# Allegro board 038RT-9068CJK8E-A100_0921_1.brd (continued)
## Routing (per net, layer and track width the routed paths; a pad name or vN(x,y) marks a point on that pad's centre or on a via; arc(x,y) is an arc through that point) (continued)
SLOT2.UB1: length 1503.4
  L24_RLY w0.203: UNK3K56.8 647.16,355.36 648.19,354.33 648.19,291.59 655.3,284.48 655.3,274.92 657.34,272.88 657.34,235.79 655.27,233.72 655.27,223.46 657.34,221.39 657.34,206.05 648.19,196.9 648.19,181.73 639.96,173.49 639.96,154.91 UNK1K56.8 ; SLOT2-DOWN.B2 256.78,93.6 256.78,88.14 244.97,76.33 138.29,76.33 99.55,115.06 99.55,140.59 96.12,144.02 68.41,144.02 64.56,147.86 64.56,152.85 63.4,154.01 K56.8 62.89,153.51 61.49,152.11 61.49,145.99 59.97,144.47 51.38,144.47 49.67,146.18 49.67,168.18 62.08,180.58 62.08,260.72 61.01,261.79 61.01,317.28 65.93,322.2 65.93,375.51 64.87,376.57 UNK2K56.8
  L46_SIGNAL w0.203: UNK3K56.8 644.64,358.25 644.64,369.57 637.02,377.19 637.02,405.32 571.55,470.79 133.02,470.79 124.13,461.9 55.55,461.9 53.58,459.93 53.58,419.42 49.26,415.1 49.26,395.35 52.43,392.18 58.91,392.18 61.32,389.76 61.32,378.13 UNK2K56.8
SLOT2.UB2: length 1532.5
  L24_RLY w0.203: UNK1K54.8 634.7,171.16 646.16,182.63 646.16,199.92 654.29,208.05 654.29,221.67 653.69,222.26 653.69,234.95 654.29,235.54 654.29,273.06 653.27,274.07 653.27,282.7 646.16,289.81 646.16,351.54 644.38,353.31 630.73,353.31 629.46,354.58 629.46,365.43 630.42,366.39 633.01,366.39 UNK3K54.8 ; UNK2K54.8 57.25,390.69 64,390.69 68.32,386.38 68.32,320.92 64,316.6 64,292.21 65.78,290.44 65.78,267.45 66.47,266.77 66.47,260.68 68.32,258.83 68.32,243.42 66.02,241.13 66.02,211.5 66.54,210.99 66.54,200.91 68.32,199.13 68.32,167.51 66.26,165.45 57.11,165.45 K54.8 54.3,165.18 54.3,153.42 54.91,152.81 56.6,152.81 59.67,155.88 64.12,155.88 67.35,152.65 100.06,152.65 102.09,150.62 102.09,116.11 139.34,78.87 242.02,78.87 253.77,90.61 SLOT2-DOWN.C1
  L46_SIGNAL w0.203: UNK3K54.8 636.63,366.14 636.63,355.35 638.03,353.95 642.73,353.95 645.52,356.74 645.52,370.21 637.9,377.82 637.9,407.97 574.2,471.68 132.65,471.68 123.76,462.79 55.18,462.79 52.69,460.3 52.69,419.78 48.37,415.47 48.37,393.32 50.78,390.91 54.22,390.91 UNK2K54.8
SLOT2.UB3: length 1481.6
  L24_RLY w0.203: UNK2K58.8 67.3,384.87 67.3,321.17 62.98,316.85 62.98,291.71 64.76,289.93 64.76,266.95 65.58,266.13 65.58,260.41 67.3,258.68 67.3,243.84 65.01,241.55 65.01,211.08 65.52,210.56 65.52,200.48 67.3,198.71 67.3,169.96 64.07,166.73 K58.8 61.16,168.45 51.44,168.45 50.41,167.42 50.41,153.73 52.03,152.11 60.06,152.11 61.28,153.34 61.28,154.69 61.8,155.2 63.75,155.2 65.28,153.66 65.28,148.35 68.72,144.91 96.49,144.91 100.44,140.96 100.44,115.43 138.65,77.22 243.25,77.22 254.75,88.71 254.75,95.63 SLOT2-DOWN.C3 ; UNK1K58.8 641.74,173.78 649.21,181.25 649.21,196.65 658.35,205.79 658.35,221.78 655.99,224.14 655.99,233.3 658.21,235.52 658.21,273.44 656.32,275.34 656.32,284.99 649.21,292.1 649.21,361.19 642.32,368.07 UNK3K58.8
  L46_SIGNAL w0.203: UNK2K58.8 59.36,392.81 53.58,392.81 50.02,396.37 50.02,414.78 54.34,419.1 54.34,459.61 55.86,461.14 124.44,461.14 133.33,470.03 571.23,470.03 636.25,405 636.25,375.72 641.74,370.23 UNK3K58.8
SLOT2.UB4: length 218.8
  L24_RLY w0.203: v1(143.8,210.38) 145.58,210.38 147.94,208.03 157.97,208.03 170.8,195.2 170.8,98.3 179.69,89.41 250.05,89.41 251.77,91.13 SLOT2-DOWN.D1
  BOTTOM w0.254: RU25.1 143.81,210.37 v1(143.8,210.38)
SLOT2.UB5: length 1547.5
  L24_RLY w0.203: UNK1K52.8 636.73,155.15 636.73,171.59 647.18,182.03 647.18,199.34 656.32,208.48 656.32,220.95 654.5,222.77 654.5,233.97 656.32,235.79 656.32,272.46 654.29,274.49 654.29,283.97 647.18,291.08 647.18,352.04 645.14,354.08 635.98,354.08 UNK3K52.8 ; UNK2K52.8 54.29,378.12 54.29,390.39 55.76,391.86 64.31,391.86 69.33,386.83 69.33,320.66 65.01,316.34 65.01,292.86 66.79,291.08 66.79,267.96 68.12,266.64 68.12,260.3 69.33,259.08 69.33,243 67.04,240.7 67.04,211.92 70.6,208.36 70.6,200.58 69.33,199.31 69.33,165.36 68.77,164.8 58.48,164.8 57.4,163.72 57.4,158.96 55.23,156.79 55.23,154.62 K52.8 59.08,157.25 68.44,157.25 71.89,153.8 100.53,153.8 103.23,151.1 103.23,116.59 139.81,80.01 241.66,80.01 252.71,91.06 252.71,93.66 SLOT2-DOWN.D2
  L46_SIGNAL w0.203: UNK3K52.8 636.74,353.31 643.49,353.31 646.29,356.11 646.29,370.97 638.54,378.71 638.54,408.24 574.46,472.31 132.39,472.31 123.5,463.42 54.92,463.42 52.05,460.56 52.05,420.05 47.74,415.73 47.74,390.65 50.4,387.99 53.58,387.99 54.59,386.97 54.59,377.82 UNK2K52.8
SLOT2.UB6: length 1258.2
  L24_RLY w0.203: UNK3K225.8 552.23,241.6 550.66,240.03 550.66,212.09 551.42,211.33 551.42,205.49 548.62,202.69 538.78,202.69 UNK1K225.8 ; SLOT2-DOWN.D3 250.77,95.61 250.77,92.29 249.03,90.55 185.18,90.55 174.48,101.25 174.48,195.83 149.72,220.6 149.72,226.82 147.56,228.98 139.68,228.98 137.98,230.69 K225.8 139.8,232.66 146.29,232.66 147.3,233.68 147.3,241.81 146.12,242.99 146.12,273.9 153.65,281.43 160,281.43 161.27,282.7 161.27,286.26 164.83,289.81 183.63,289.81 186.04,287.4 186.04,284.39 UNK2K225.8
  L38_SIGNAL w0.203: UNK2K225.8 187.57,281.31 182.61,276.35 182.61,262.38 178.55,258.32 151.11,258.32 145.37,252.58 145.37,250.77 142.99,248.39 132.24,248.39 126.88,243.03 126.88,237.44 123.99,234.54 123.99,208.48 125.71,206.76 125.71,183.64 132.5,176.85 157.02,176.85 175.66,158.2 175.66,91.89 189.29,78.26 505.47,78.26 514.41,87.19 514.41,156.41 532.62,174.62 568.72,174.62 570.98,176.88 570.98,217.68 568.69,219.96 553.2,219.96 542.27,230.89 542.27,232.41 541.51,233.17 537.45,233.17 536.18,234.44 536.18,239.27 537.19,240.28 551.3,240.28 UNK3K225.8
SLOT2.UB7: length 1216.8
  L24_RLY w0.203: UNK2K226.8 198.32,278.38 159.75,278.38 158.48,277.11 158.48,245.62 154.42,241.55 154.42,232.04 K226.8 153.22,228.4 153.91,227.71 153.91,217.68 175.62,195.96 175.62,101.73 185.66,91.69 248.78,91.69 249.92,92.84 249.92,96.76 SLOT2-DOWN.D4 ; UNK3K226.8 539.22,239.77 539.22,228.1 540.75,226.57 540.75,219.46 536.43,215.14 536.43,210.19 537.38,209.24 UNK1K226.8
  L38_SIGNAL w0.203: UNK2K226.8 202.81,282.07 194.55,273.81 194.55,256.54 192.77,254.76 148.83,254.76 146.54,252.48 146.54,249.43 144.05,246.94 132.34,246.94 128.1,242.7 128.1,236.37 125.82,234.09 125.82,208.13 128.13,205.82 128.13,183.26 133.5,177.89 157.24,177.89 177.03,158.1 177.03,92.46 190.12,79.38 504.68,79.38 513.18,87.87 513.18,156.45 532.62,175.89 568.05,175.89 570.21,178.05 570.21,217.42 568.44,219.2 552.94,219.2 541.26,230.89 536.69,230.89 535.42,232.16 535.42,239.64 UNK3K226.8
SLOT2.UB15: length 261.4
  L36_SIGNAL w0.203: KB1.12 57.21,394.39 59.29,392.3 229.3,392.3 235.7,385.9 235.7,333.89 237,332.59 245.45,332.59 SLOT2-UP.F3
SLOT3.CH0: length 563.4
  L21_SIGNAL w0.105: v1(115.62,279.45) 119.17,275.9 119.17,244.44 121.68,241.92 173.54,241.92 179.28,247.67 214.01,247.67 215.73,245.94 215.73,236.69 219.75,232.67 304.22,232.67 308.17,228.72 308.17,218.26 310.81,215.62 310.81,213.88 311.78,212.91 316.82,212.91 318.9,214.99 318.9,254.03 325.25,260.39 325.25,262.83 333.29,270.86 333.29,311.56 352.31,330.57 352.31,387.67 360.52,395.88 437.75,395.88 440.9,392.73 440.9,382.84 SLOT3-UP.B27
  BOTTOM w0.115: v1(115.62,279.45) UNK2RR930.2
SLOT3.CH1: length 325.5
  L21_SIGNAL w0.105: K34.2 313.56,215.92 313.56,252.87 321.12,260.43 321.12,379.86 342.49,401.22 441.58,401.22 447.92,394.88 447.92,377.26 SLOT3-UP.A26
SLOT3.CH2: length 619.6
  TOP w0.115: UNK3HOST2.26 402.03,442.51 402.68,443.15 402.68,447.14 v2(400.7,449.12) v2(400.7,451.66)
  L19_SIGNAL w0.105: SLOT3-UP.C26 444.25,377.59 447.78,377.59 450.6,380.41 540.31,380.41 574.4,346.32 645.54,346.32 669.3,370.09 669.3,438.03 639.95,467.38 416.41,467.38 v2(400.7,451.66)
SLOT3.CH3: length 735.2
  TOP w0.115: UNK1HOST2.26 464.71,33.66 464.07,33.02 464.07,29.03 v2(466.05,27.05) v2(466.05,24.51)
  L19_SIGNAL w0.105: v2(466.05,24.51) 466.79,25.25 466.79,28.82 465.87,29.74 465.87,32.66 468.99,35.78 468.99,43.37 468.16,44.19 468.16,46.96 467.42,47.71 467.42,58.37 462.52,63.26 440.26,63.26 434.02,69.5 434.02,119.8 436.14,121.93 437.22,121.93 438.19,120.95 439.66,120.95 440.36,121.65 458.68,121.65 460.38,123.35 460.38,145.98 478.98,164.58 618.32,164.58 625.01,171.27 625.01,295.61 626.86,297.46 626.86,343.09 624.57,345.38 569.1,345.38 536.76,377.73 489.88,377.73 489.03,378.58 487.66,378.58 486.81,377.73 465.12,377.73 464.25,378.6 462.78,378.6 462.08,377.91 450.65,377.91 448.07,375.33 445.99,375.33 SLOT3-UP.B25
SLOT3.CH4: length 322.2
  L21_SIGNAL w0.105: v2(314.72,216.86) 315.74,217.88 315.74,222.39 316.53,223.18 316.53,254.27 322.48,260.22 322.48,378.41 343.91,399.84 441.3,399.84 446.15,395 446.15,373.6 SLOT3-UP.A24
SLOT3.CH5: length 709
  TOP w0.115: v2(404.04,24.51) v2(404.04,27.05) 402.06,29.03 402.06,33.02 402.7,33.66 UNK1HOST1.26
  L19_SIGNAL w0.102: 396.8,46.91 401.96,52.07
  L19_SIGNAL w0.105: 401.96,52.07 404.92,55.03 404.92,63.49 429.77,88.33 429.77,121.48 433.91,125.62 437.36,125.62 438.23,124.75 439.83,124.75 440.8,125.72 457.4,125.72 459.07,127.4 459.07,147.84 477.33,166.09 560.61,166.09 562.25,167.73 591.91,167.73 594.5,170.33 606.03,170.33 616.22,180.51 620.86,180.51 624.21,183.86 624.21,223.02 622.53,224.69 622.53,286.93 619.11,290.35 612.07,290.35 607.43,294.99 607.43,330.98 599.14,339.27 565.8,339.27 531.41,373.65 490.23,373.65 489.13,374.75 488.01,374.75 486.8,373.54 465.65,373.54 464.32,374.86 463.13,374.86 462.15,373.89 448.57,373.89 447.99,373.3 443.96,373.3 SLOT3-UP.C24 ; 396.8,46.91 396.43,46.54 396.43,42.3 393.09,38.96 393.09,36.38 394.76,34.71 394.76,26.77 397.02,24.51 v2(404.04,24.51)
SLOT3.CH6: length 747.5
  TOP w0.115: HOST2.27 282.66,33.06 282.9,32.82 282.9,29.28 v2(285.13,27.05) v2(285.13,24.51)
  L19_SIGNAL w0.105: SLOT3-UP.B23 445.95,371.29 447.9,371.29 449.4,369.8 462.08,369.8 463.12,370.84 464.1,370.84 465.12,369.82 487.41,369.82 488.36,370.77 489.56,370.77 490.81,369.52 523.7,369.52 563.14,330.08 576.32,330.08 583.01,323.4 583.01,302.13 587.49,297.65 587.49,240.13 586.54,239.18 586.54,231.37 587.59,230.32 587.59,179.78 580.05,172.24 558.28,172.24 554.09,168.05 477.09,168.05 457.7,148.65 457.7,132.31 455.16,129.77 440.2,129.77 439.3,128.87 438,128.87 437.09,129.79 434.6,129.79 425.87,121.06 425.87,94.1 419.81,88.04 394.35,88.04 366.23,59.92 366.23,18.24 360.24,12.25 337.08,12.25 332.39,16.94 290.13,16.94 285.94,21.13 285.94,23.7 v2(285.13,24.51)
SLOT3.CH7: length 289.3
  L19_SIGNAL w0.105: v1(342.59,217.53) 344.85,219.79 345.63,219.79 351.8,225.97 357.76,225.97 369.13,237.33 475.01,237.33 479.45,241.78 479.45,289.17 453.04,315.58 453.04,362.7 SLOT3-UP.A22
  BOTTOM w0.115: v1(342.59,217.53) 341.94,218.18 MUX14.7
SLOT3.CH8: length 765.5
  TOP w0.115: v2(283.6,24.51) v2(283.6,27.05) 281.62,29.03 281.62,33.02 282.26,33.66 HOST2.26
  L19_SIGNAL w0.105: v2(283.6,24.51) 284.36,23.75 284.36,21.51 289.85,16.02 332,16.02 336.69,11.33 360.62,11.33 367.15,17.86 367.15,59.54 394.94,87.32 421.07,87.32 427.6,93.85 427.6,121.23 434.01,127.65 437.28,127.65 437.98,126.95 440.05,126.95 440.67,127.57 456.37,127.57 458.62,129.82 458.62,148.06 477.22,166.66 554.57,166.66 559.41,171.5 585.07,171.5 589.66,176.1 589.66,230.98 589.16,231.48 589.16,294.5 588.37,295.29 588.37,328.49 582.13,334.73 564.36,334.73 527.55,371.54 490.33,371.54 489.21,372.67 488.01,372.67 487.16,371.82 465.02,371.82 464,372.84 463.13,372.84 462.08,371.79 444.7,371.79 444.01,371.09 444.01,369.35 SLOT3-UP.C22
SLOT3.CH9: length 288.5
  L19_SIGNAL w0.105: SLOT3-UP.B21 446.1,365.65 447.86,365.65 452.44,361.07 452.44,315.33 478.85,288.92 478.85,241.94 475.24,238.33 369.36,238.33 357.61,226.58 349.66,226.58 346.43,223.35 346.43,221.46 345.22,220.26 343.36,220.26 v1(342.59,219.48)
  BOTTOM w0.115: v1(342.59,219.48) 341.94,218.83 MUX14.6
SLOT3.CH10: length 277.8
  L19_SIGNAL w0.105: v1(342.59,228.96) 357.19,228.96 367.47,239.23 474.25,239.23 478.07,243.05 478.07,288.59 451.66,315 451.66,360.09 SLOT3-UP.A20
  BOTTOM w0.115: v1(342.59,228.96) 341.94,229.61 MUX13.7
SLOT3.CH11: length 314.8
  L21_SIGNAL w0.105: SLOT3-UP.C20 442.27,363.61 442.27,358.24 441.6,357.57 440.72,357.57 439.31,356.17 439.31,322.65 453.69,308.28 453.69,285.02 459.75,278.96 508.36,278.96 511.75,275.56 511.75,250.37 519.07,243.05 556.28,243.05 561.56,237.77 585.64,237.77 587.83,235.59 587.83,233.55 589.21,232.16 589.21,186.8 593.47,182.54 593.47,181.66 v1(594.46,180.67)
  BOTTOM w0.115: v1(594.46,180.67) UNK1RR512.2
SLOT3.CH12: length 275.7
  L19_SIGNAL w0.105: SLOT3-UP.B19 446.22,361.53 448.22,361.53 450.11,359.64 450.11,314.36 476.52,287.95 476.52,256.17 477.3,255.38 477.3,243.42 474.04,240.16 367.28,240.16 358.79,231.67 343.34,231.67 v1(342.59,230.91)
  BOTTOM w0.115: v1(342.59,230.91) 341.94,230.26 MUX13.6
SLOT3.CH13: length 287.9
  L19_SIGNAL w0.105: SLOT3-UP.A18 449.32,358.42 449.32,314.04 475.73,287.63 475.73,255.92 476.66,254.99 476.66,243.65 473.63,240.62 420.39,240.62 416.45,244.56 414.6,244.56 411.96,247.19 397.29,247.19 393.41,243.31 369.53,243.31 358.24,232.01 334.61,232.01 333.51,230.91 v1(330.83,230.91)
  BOTTOM w0.115: v1(330.83,230.91) 330.18,230.26 MUX16.6
SLOT3.CH15: length 182.8
  L21_SIGNAL w0.105: SLOT3-UP.B17 446.2,359.54 447.91,359.54 448.29,359.92 448.29,397.51 455.76,404.98 557.76,404.98 S3_TAPSL1.2
  BOTTOM w0.115: UNK3RD80.2 S3_TAPSL1.2
SLOT3.CH16: length 351.5
  L21_SIGNAL w0.105: SLOT3-UP.A16 449.56,358.9 449.56,395.99 456.52,402.95 573.16,402.95 614.16,361.95 614.16,307.21 610.35,303.4 610.35,282.83 613.01,280.16 613.01,260.48 608.19,255.65 608.19,242.2 v1(606.65,240.67)
SLOT3.CH17: length 195.9
  L21_SIGNAL w0.105: SLOT3-UP.C16 444.04,357.38 447.28,357.38 448.93,359.03 448.93,396.88 456.14,404.09 567.04,404.09 S3_TAPSL0.2
  BOTTOM w0.115: UNK3RD79.2 S3_TAPSL0.2
SLOT3.CH18: length 345.3
  L21_SIGNAL w0.105: v1(602.59,240.67) 601.71,241.55 601.71,251.97 607.3,257.56 607.3,275.59 608.82,277.11 608.82,295.78 607.3,297.31 607.3,364.36 570.49,401.17 457.92,401.17 450.96,394.21 450.96,358.27 448.04,355.35 446.01,355.35 SLOT3-UP.B15
SLOT3.CH19: length 340
  L21_SIGNAL w0.102: 606.15,273.84 606.15,258.7 606.06,258.6
  L21_SIGNAL w0.105: v1(598.53,240.67) 597.9,241.3 597.9,250.44 606.06,258.6 ; SLOT3-UP.A14 448.41,352.54 452.1,356.24 452.1,391.67 459.57,399.14 570.11,399.14 602.34,366.9 602.34,307.85 606.15,304.04 606.15,273.84
SLOT3.CH20: length 346.6
  L21_SIGNAL w0.105: SLOT3-UP.C14 444.23,353.57 447.91,353.57 451.6,357.25 451.6,393.06 458.68,400.15 570.43,400.15 606.54,364.05 606.54,296.99 608.06,295.47 608.06,277.11 606.79,275.84 606.79,257.56 599.93,250.7 599.93,241.3 v1(600.56,240.67)
SLOT3.CH21: length 339.6
  L21_SIGNAL w0.105: SLOT3-UP.B13 445.98,349.76 447.91,349.76 453.25,355.09 453.25,389.25 461.1,397.1 568.72,397.1 600.69,365.12 600.69,301.15 589.77,290.23 589.77,246.51 593.2,243.08 593.2,241.93 v1(594.46,240.67)
SLOT3.CH22: length 330.2
  L21_SIGNAL w0.105: SLOT3-UP.A12 450.51,348.54 455.28,353.31 455.28,387.1 463.25,395.07 569.1,395.07 596.12,368.05 596.12,297.94 588.88,290.7 588.88,242.19 v1(590.4,240.67)
SLOT3.CH23: length 339.1
  L21_SIGNAL w0.105: SLOT3-UP.C12 443.91,349.25 448.29,349.25 453.88,354.84 453.88,387.86 462.11,396.09 568.97,396.09 600.31,364.74 600.31,301.31 589.39,290.38 589.39,245.24 591.04,243.59 591.04,242.06 v1(592.43,240.67)
  BOTTOM w0.115: v1(592.43,240.67) UNK3RR510.2
SLOT3.CH24: length 330.8
  L21_SIGNAL w0.105: v1(588.37,240.67) 587.23,241.8 587.23,248.16 588.37,249.3 588.37,292.23 595.36,299.21 595.36,368.05 569.48,393.93 464.4,393.93 455.79,385.32 455.79,352.68 450.45,347.35 446.01,347.35 SLOT3-UP.B11
SLOT3.CH25: length 324
  L21_SIGNAL w0.105: SLOT3-UP.A10 449.68,344.54 457.69,352.55 457.69,383.16 466.3,391.77 568.21,391.77 593.58,366.39 593.58,298.96 587.23,292.61 587.23,250.57 584.82,248.16 584.82,241.19 v1(584.3,240.67)
SLOT3.CH26: length 331.3
  L21_SIGNAL w0.105: SLOT3-UP.C10 444.1,345.44 449.56,345.44 457.18,353.06 457.18,384.94 465.16,392.91 568.21,392.91 594.85,366.27 594.85,299.47 587.74,292.35 587.74,250.32 585.45,248.03 585.45,241.55 v1(586.33,240.67)
SLOT3.CH27: length 316.1
  L21_SIGNAL w0.105: SLOT3-UP.B9 445.94,343.28 449.82,343.28 459.09,352.55 459.09,383.41 466.68,391.01 567.83,391.01 589.77,369.06 589.77,298.7 576.44,285.37 576.44,252.39 v1(574.97,250.92)
SLOT3.CH28: length 395.4
  L11_SIGNAL w0.102: 397.68,263.42 400.9,263.42 v1(401.3,263.02)
  L11_SIGNAL w0.105: 397.68,263.42 396.95,263.42 396.37,264 396.37,268.55 395.06,269.86 395.06,278.21 416.4,299.55 507.62,299.55 519.73,287.43 519.73,281.48 v2(521.89,279.32)
  L21_SIGNAL w0.105: SLOT3-UP.A8 451.02,340.54 459.85,349.38 459.85,381.63 467.06,388.85 512.33,388.85 534.27,366.9 534.27,316.14 522.46,304.33 522.46,279.89 v2(521.89,279.32)
SLOT3.CH29: length 244.8
  L21_SIGNAL w0.105: SLOT3-UP.C8 444.29,341.63 450.2,341.63 459.47,350.9 459.47,382.9 466.68,390.12 512.96,390.12 536.05,367.03 536.05,316.61 525,305.56 525,285.5 523.86,284.35 523.86,272.12 UNK3K233.4
SLOT3.CH30: length 396
  L11_SIGNAL w0.102: v1(400.5,263.02) 400.1,262.62 397.68,262.62
  L11_SIGNAL w0.105: 397.68,262.62 396.62,262.62 395.57,263.67 395.57,268.18 394.25,269.5 394.25,271.97 393.39,272.83 393.39,277.67 416.07,300.35 507.95,300.35 520.53,287.76 520.53,282.21 v2(521.89,280.85)
  L21_SIGNAL w0.105: SLOT3-UP.B7 445.92,337.82 450.71,337.82 460.36,347.47 460.36,379.98 467.83,387.45 511.18,387.45 532.49,366.14 532.49,315.85 521.06,304.42 521.06,281.68 v2(521.89,280.85)
SLOT3.CH31: length 221.3
  L21_SIGNAL w0.105: UNK3K232.5 520.56,273.97 520.56,376.05 510.42,386.18 467.45,386.18 460.87,379.6 460.87,346.07 451.33,336.54 SLOT3-UP.A6
SLOT3.CH32: length 106.1
  L19_SIGNAL w0.102: 397.75,204.22 400.9,204.22 v1(401.3,203.82)
  L19_SIGNAL w0.105: 397.75,204.22 396.03,202.5 396.03,171.77 412.99,154.81 438.38,154.81 446.26,146.93 446.26,139.67 SLOT3-DOWN.B24
SLOT3.CH33: length 104.1
  L19_SIGNAL w0.102: v1(402.9,203.82) 402.5,203.42 402.5,199.33
  L19_SIGNAL w0.105: SLOT3-DOWN.A23 449.53,138.94 449.53,147.37 441.23,155.66 413.42,155.66 404.44,164.64 404.44,182.17 402.5,184.11 402.5,199.33
SLOT3.CH34: length 108.9
  L19_SIGNAL w0.102: v1(401.3,204.62) 400.9,205.02 397.16,205.02
  L19_SIGNAL w0.105: 397.16,205.02 395.46,203.33 395.46,171.21 412.66,154.01 438.05,154.01 444.23,147.83 444.23,137.64 SLOT3-DOWN.C23
SLOT3.CH35: length 108.1
  L19_SIGNAL w0.102: 403.3,199.33 403.3,203.42 v1(403.7,203.82)
  L19_SIGNAL w0.105: SLOT3-DOWN.B22 446.1,135.51 447.53,135.51 450.33,138.3 450.33,147.7 441.56,156.46 413.75,156.46 405.24,164.97 405.24,182.5 403.3,184.44 403.3,199.33
SLOT3.CH36: length 165.1
  L21_SIGNAL w0.105: UNK1K10.8 510.78,234.98 510.78,190.25 513.57,187.45 513.57,172.91 499.5,158.84 458.59,158.84 451.38,151.63 451.38,136.79 SLOT3-DOWN.A21
  BOTTOM w0.115: UNK3CD177.1 UNK1K10.8
SLOT3.CH37: length 168.9
  L21_SIGNAL w0.105: SLOT3-DOWN.C21 444.19,131.62 448.08,131.62 452.14,135.69 452.14,150.24 459.98,158.08 499.82,158.08 514.33,172.59 514.33,187.96 511.29,191.01 511.29,239.55 UNK1K10.5
  BOTTOM w0.115: UNK1CD177.1 UNK1K10.5
SLOT3.CH38: length 139.1
  L34_SIGNAL w0.105: SLOT3-DOWN.B20 446.16,131.57 447.91,131.57 449.82,133.48 449.82,163.7 447.53,165.99 447.53,200.03 443.98,203.58 443.98,241.3 438.64,246.63 438.64,259.74 v1(436.94,261.45)
SLOT3.CH39: length 79.9
  L32_SIGNAL w0.105: v1(436.94,201.45) 438.64,199.74 438.64,178.69 450.65,166.68 450.65,132.06 SLOT3-DOWN.A19
SLOT3.CH40: length 235.3
  L34_SIGNAL w0.105: v2(316.94,261.45) 316.09,260.6 316.09,239.14 328.66,226.57 328.66,174.75 340.09,163.32 412.23,163.32 429.75,145.8 429.75,131.06 430.89,129.92 436.86,129.92 438.01,128.78 440.04,128.78 440.93,129.67 442.15,129.67 SLOT3-DOWN.C19
SLOT3.CH41: length 168.6
  L32_SIGNAL w0.105: SLOT3-DOWN.B18 444.3,127.51 440.8,127.51 440.17,126.87 438.26,126.87 437.37,127.76 435.34,127.76 432.67,130.43 432.67,140.4 397.69,175.39 338.97,175.39 316.21,198.14 316.21,200.72 v1(316.94,201.45)
SLOT3.CH42: length 397.1
  L11_SIGNAL w0.102: v1(400.5,203.02) 400.1,202.62 397.68,202.62
  L11_SIGNAL w0.105: v2(559.36,229.1) 546.09,229.1 541.01,234.18 526.71,234.18 526.06,234.83 410.4,234.83 389.59,214.03 389.59,208.8 390.85,207.55 394.27,207.55 395.89,205.92 395.89,203.35 396.62,202.62 397.68,202.62
  L21_SIGNAL w0.105: v2(559.36,229.1) 548.24,229.1 542.53,223.39 542.53,174.42 537.2,169.09 520.05,169.09 506.39,155.42 462.52,155.42 455.47,148.37 455.47,128.1 451.98,124.61 SLOT3-DOWN.A17
SLOT3.CH43: length 167.2
  L21_SIGNAL w0.105: SLOT3-DOWN.C17 444.12,125.53 450.59,125.53 454.2,129.13 454.2,148.55 462.01,156.36 505.85,156.36 521.45,171.96 521.45,211.07 522.97,212.6 522.97,227.43 UNK1K232.5
SLOT3.CH44: length 399.4
  L11_SIGNAL w0.102: 397.68,203.42 400.9,203.42 v1(401.3,203.02)
  L11_SIGNAL w0.105: 397.68,203.42 396.95,203.42 396.69,203.68 396.69,206.25 394.6,208.35 391.18,208.35 390.39,209.14 390.39,213.7 410.73,234.03 525.73,234.03 526.38,233.38 540.64,233.38 545.48,228.54 558.39,228.54 v2(559.36,227.58)
  L21_SIGNAL w0.105: v2(559.36,227.58) 547.86,227.58 544.18,223.9 544.18,173.74 537.88,167.44 520.73,167.44 507.07,153.77 461.97,153.77 456.12,147.92 456.12,126.03 453.56,123.48 446.07,123.48 SLOT3-DOWN.B16
SLOT3.CH45: length 176.1
  L21_SIGNAL w0.105: SLOT3-DOWN.A15 447.62,121.03 456.18,121.03 458.06,122.91 458.06,146.72 463.28,151.94 507.23,151.94 520.72,165.43 538.26,165.43 551.9,179.07 582.7,179.07 v1(584.3,180.67)
  BOTTOM w0.115: v1(584.3,180.67) UNK1RR912.2
SLOT3.CH46: length 277.1
  L07_SIGNAL w0.1: UNK1K52.2 632.82,149.92 632.92,150.02 632.92,160.33 632.82,160.43 UNK1K54.3
  L19_SIGNAL w0.1: SLOT3-DOWN.C15 444.05,119.76 452.23,119.76 458.07,113.92 458.07,87 461.63,83.44 524.11,83.44 549.89,109.22 616.19,109.22 626.98,120.02 626.98,139.19 632.92,145.13 632.92,149.82 632.82,149.92 UNK1K52.2
SLOT3.CH47: length 275.6
  L07_SIGNAL w0.1: UNK1K52.7 633.38,149.92 633.28,150.02 633.28,160.33 633.38,160.43 UNK1K54.6
  L19_SIGNAL w0.1: SLOT3-DOWN.B14 445.99,119.4 452.08,119.4 457.71,113.77 457.71,86.84 461.48,83.08 524.26,83.08 550.04,108.86 616.34,108.86 627.35,119.86 627.35,139.04 633.28,144.98 633.28,149.82 633.38,149.92 UNK1K52.7
SLOT3.CH48: length 307
  L07_SIGNAL w0.1: UNK1K58.3 639.86,160.43 639.96,160.33 639.96,150.02 639.86,149.92 UNK1K56.2
  L19_SIGNAL w0.1: SLOT3-DOWN.A13 447.99,115.82 454.39,115.82 455.79,114.43 455.79,81.41 458.58,78.61 523.99,78.61 541.26,95.88 638.79,95.88 644.89,101.98 644.89,135.89 639.96,140.82 639.96,149.82 639.86,149.92 UNK1K56.2
SLOT3.CH49: length 311.8
  L07_SIGNAL w0.1: UNK1K56.7 640.42,149.92 640.32,150.02 640.32,160.33 640.42,160.43 UNK1K58.6
  L19_SIGNAL w0.1: SLOT3-DOWN.C13 444.35,115.46 454.24,115.46 455.42,114.28 455.42,81.26 458.43,78.25 524.14,78.25 541.41,95.52 638.94,95.52 645.25,101.83 645.25,136.04 640.32,140.97 640.32,149.82 640.42,149.92 UNK1K56.7
SLOT3.CH50: length 171.5
  L19_SIGNAL w0.1: SLOT3-DOWN.B12 446.02,113.79 450.83,113.79 453.88,110.74 453.88,80.78 459.11,75.55 536.71,75.55 550.13,62.13 550.13,46.84 549.28,45.99 546.82,45.99 545.85,46.96 545.85,52.45 545.75,52.55 UNK1K240.2
SLOT3.CH51: length 167.7
  L19_SIGNAL w0.1: UNK1K240.7 546.32,52.55 546.22,52.45 546.22,47.11 546.97,46.35 549.13,46.35 549.77,46.99 549.77,61.98 536.56,75.18 458.96,75.18 453.52,80.63 453.52,110.59 450.68,113.43 448.02,113.43 SLOT3-DOWN.A11
SLOT3.CH52: length 158.4
  L19_SIGNAL w0.1: SLOT3-DOWN.C11 444.07,111.74 450.47,111.74 452.23,109.98 452.23,79.12 459.72,71.63 527.54,71.63 535.8,63.37 535.8,47.37 536.94,46.23 538.59,46.23 539.5,47.14 539.5,52.45 539.4,52.55 UNK1K242.2
SLOT3.CH53: length 157
  L19_SIGNAL w0.1: SLOT3-DOWN.B10 445.97,111.38 450.32,111.38 451.87,109.83 451.87,78.97 459.57,71.26 527.39,71.26 535.43,63.22 535.43,47.22 536.79,45.86 538.74,45.86 539.87,46.99 539.87,52.45 539.97,52.55 UNK1K242.7
SLOT3.CH54: length 167.3
  L34_SIGNAL w0.105: v1(436.94,266.53) 438.81,266.53 449.44,255.91 449.44,172.47 452.04,169.86 452.04,113.45 SLOT3-DOWN.A9
SLOT3.CH55: length 112.7
  L32_SIGNAL w0.105: v1(436.94,206.53) 449.18,194.28 449.18,174.24 453.59,169.83 453.59,112.87 450.21,109.48 444.07,109.48 SLOT3-DOWN.C9
SLOT3.CH56: length 269.6
  L34_SIGNAL w0.105: SLOT3-DOWN.B8 444.24,107.57 440.29,107.57 439.02,108.84 438.13,108.84 437.12,107.82 435.97,107.82 433.43,110.36 430.77,110.36 427.59,113.54 427.59,141.35 408.42,160.53 336.41,160.53 322.82,174.12 322.82,190.88 320.91,192.79 320.91,211.96 321.55,212.6 321.55,227.46 311.26,237.74 311.26,264.29 312.28,265.3 315.71,265.3 v1(316.94,266.53)
SLOT3.CH57: length 198.9
  L32_SIGNAL w0.105: SLOT3-DOWN.A7 446.15,105.66 440.8,105.66 439.91,104.78 438.26,104.78 437.12,105.92 435.34,105.92 431.78,109.47 431.78,117.86 425.69,123.95 425.69,144.03 397.38,172.34 339.53,172.34 314.31,197.56 314.31,203.9 v1(316.94,206.53)
SLOT3.CH58: length 136.2
  L19_SIGNAL w0.1: SLOT3-DOWN.C7 444.07,103.74 449.08,103.74 451.34,101.48 451.34,72.14 454.28,69.2 525.53,69.2 532.25,62.48 532.25,51.45 532.35,51.35 UNK1K241.2
SLOT3.CH59: length 133.5
  L19_SIGNAL w0.1: UNK1K241.7 531.78,51.35 531.88,51.45 531.88,62.33 525.38,68.83 454.13,68.83 450.98,71.99 450.98,101.33 448.93,103.38 445.97,103.38 SLOT3-DOWN.B6
SLOT3.CH60: length 124.5
  L19_SIGNAL w0.1: SLOT3-DOWN.A5 448.01,99.8 448.83,99.8 449.8,98.83 449.8,70.5 454.03,66.28 523.63,66.28 525.9,64.01 525.9,51.45 526,51.35 UNK1K243.2
SLOT3.CH61: length 128
  L19_SIGNAL w0.1: UNK1K243.7 525.43,51.35 525.53,51.45 525.53,63.86 523.48,65.91 453.88,65.91 449.44,70.35 449.44,98.68 448.67,99.44 444.37,99.44 SLOT3-DOWN.C5
SLOT3.CH62: length 237.4
  L21_SIGNAL w0.105: v1(604.62,180.67) 604.62,177.16 596.76,169.29 558.47,169.29 546.52,157.33 546.52,111.18 518.96,83.63 458.73,83.63 452.75,89.61 452.75,93.66 448.75,97.66 446.15,97.66 SLOT3-DOWN.B4